# Allegro board C000PD020-3399PRO-DMEB-A-A01.brd (continued)
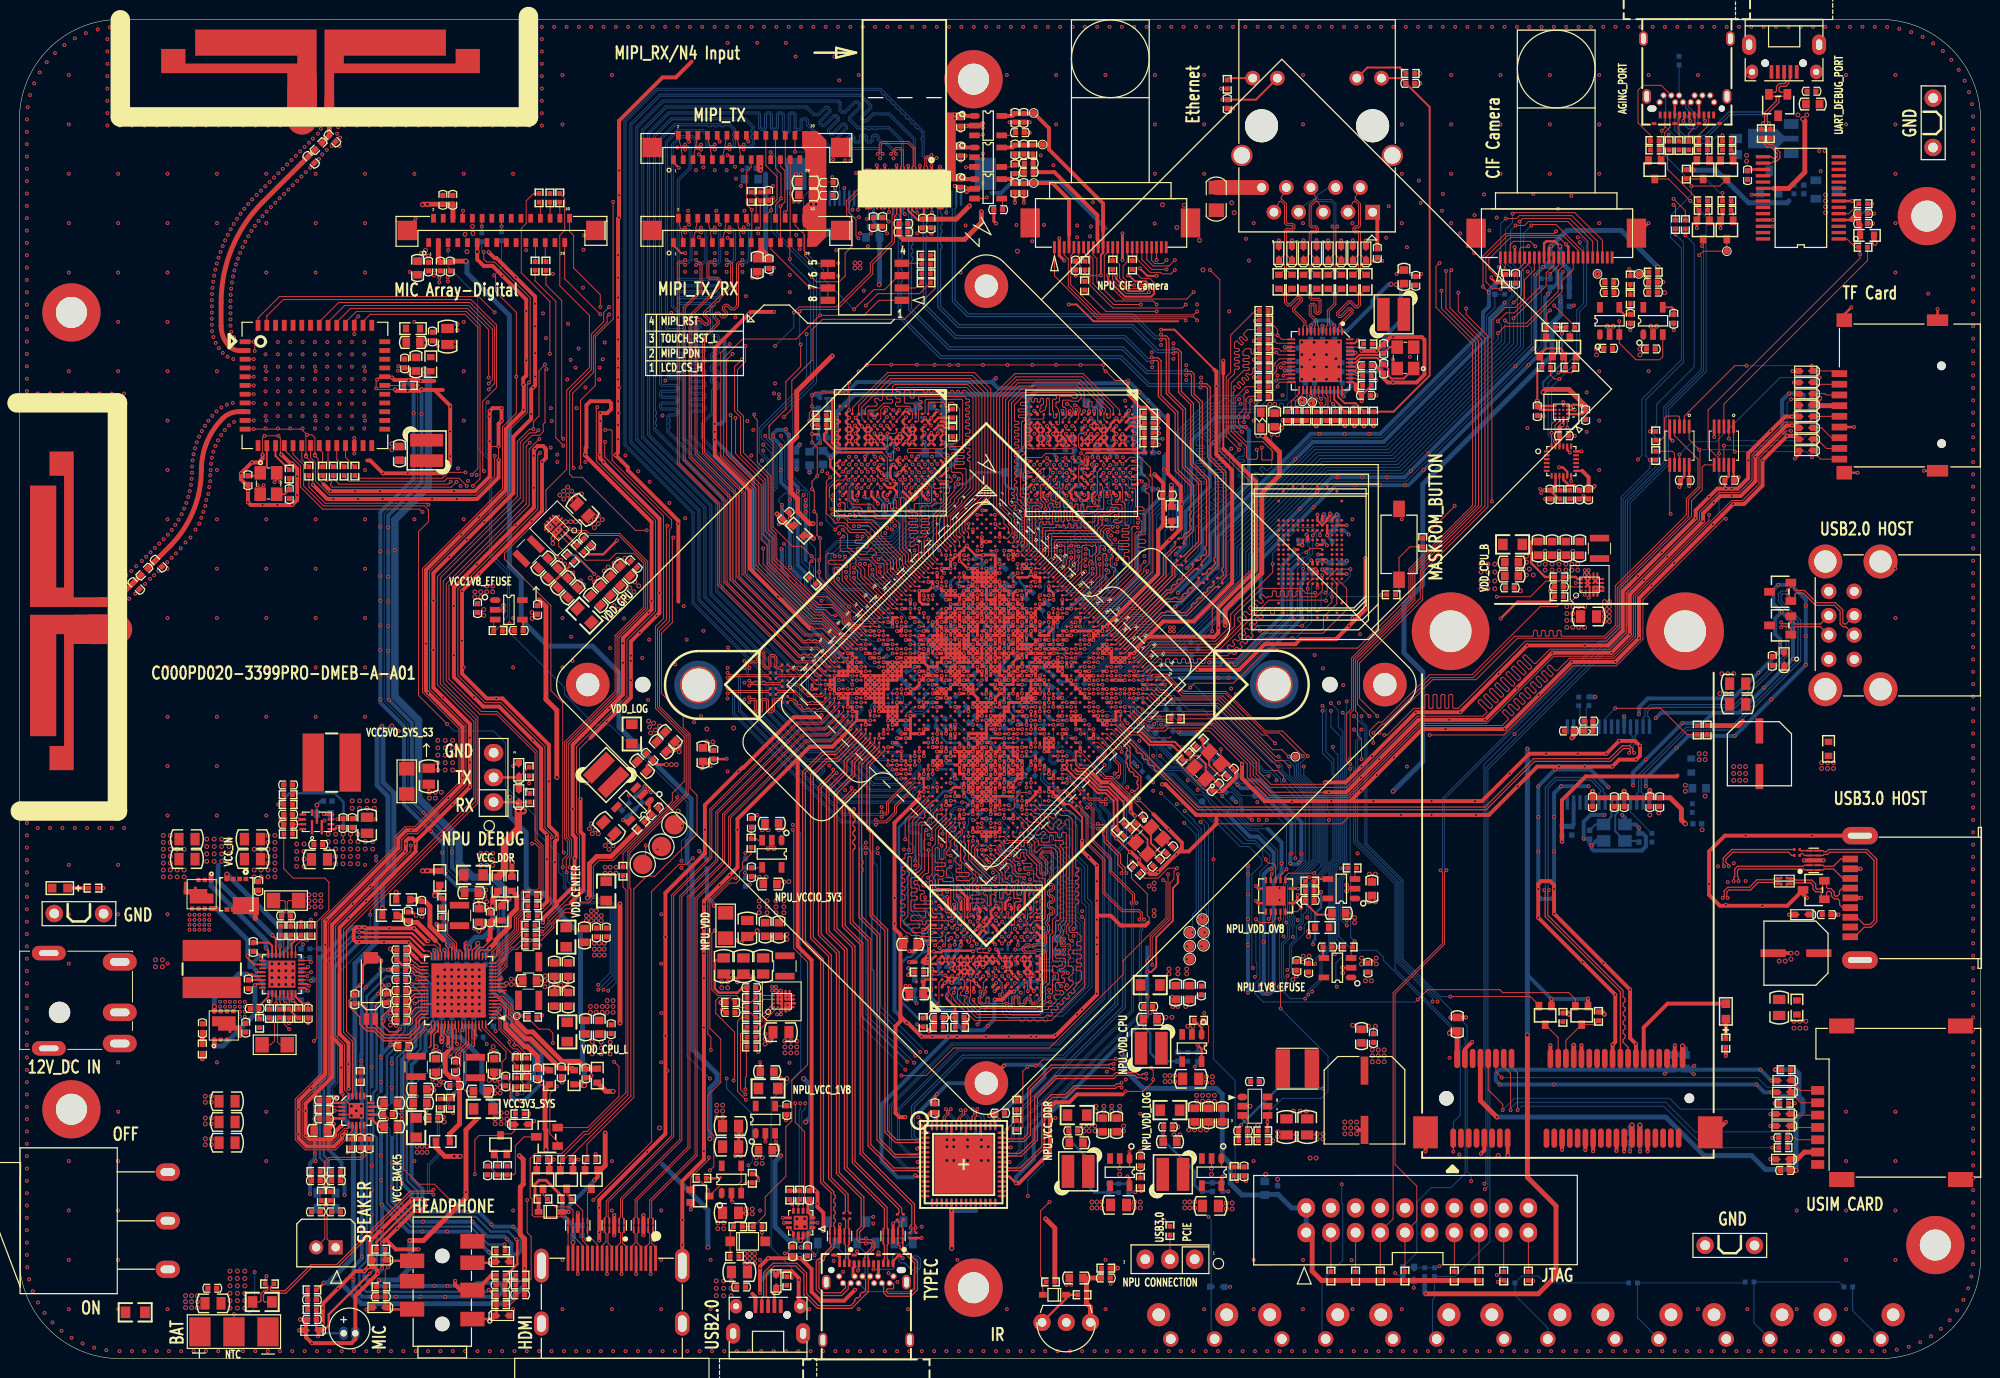
[diagram p0: board, top side]
## Routing (per net, layer and track width the routed paths; a pad name or vN(x,y) marks a point on that pad's centre or on a via; arc(x,y) is an arc through that point) (continued)
  vias: v1(0.76,127.51) v1(0.76,126.24) v1(0.76,124.97) v1(0.76,123.7) v1(0.76,122.43) v1(0.76,121.16) v1(0.76,119.89) v1(0.76,118.62) v1(0.76,117.35) v1(0.76,116.08) v1(0.76,114.81) v1(0.76,113.54) v1(0.76,112.27) v1(0.76,111) v1(0.76,109.73) v1(0.76,108.46) v1(0.76,107.19) v1(0.76,105.92) v1(0.76,104.65) v1(0.76,103.38) v1(0.76,102.11) v1(0.76,100.84) v1(0.76,99.57) v1(0.76,98.3) v1(0.76,56.39) v1(0.76,55.12) v1(0.76,53.85) v1(0.76,52.58) v1(0.76,51.31) v1(0.76,50.04) v1(0.76,48.77) v1(0.76,47.5) v1(0.76,46.23) v1(0.76,44.96) v1(0.76,43.69) v1(0.76,42.42) v1(0.76,41.15) v1(0.76,39.88) v1(0.76,38.61) v1(0.76,37.34) v1(0.76,36.07) v1(0.76,34.8) v1(0.76,33.53) v1(0.76,32.26) v1(0.76,30.99) v1(0.76,29.72) v1(0.76,28.45) v1(0.76,27.18) v1(0.76,25.91) v1(0.76,24.64) v1(0.76,23.37) v1(0.76,22.1) v1(0.76,20.83) v1(0.76,19.56) v1(0.76,18.29) v1(0.76,17.02) v1(0.76,15.75) v1(0.76,14.48) v1(0.76,13.21) v1(0.76,11.94) v1(0.76,10.67) v1(0.8,9.4) v1(0.85,128.77) v1(1.01,8.14) v1(1.1,130.02) v1(1.38,6.93) v1(1.52,131.22) v1(1.88,99.31) v1(1.88,54.6) v1(1.9,5.77) v1(2.09,132.35) v1(2.58,4.7) v1(2.8,133.4) v1(3.15,99.31) v1(3.15,54.6) v1(3.39,3.72) v1(3.66,134.34) v1(4.33,2.86) v1(4.42,99.31) v1(4.42,54.6) v1(4.62,135.17) v1(5.08,132.08) v1(5.08,127) v1(5.08,121.92) v1(5.08,116.84) v1(5.08,111.76) v1(5.08,101.6) v1(5.08,55.88) v1(5.08,50.8) v1(5.08,45.72) v1(5.08,40.64) v1(5.08,30.48) v1(5.08,20.32) v1(5.08,15.24) v1(5.08,10.16) v1(5.08,5.08) v1(5.37,2.14) v1(5.69,135.85) v1(5.69,99.31) v1(5.69,54.6) v1(6.5,1.55) v1(6.84,136.39) v1(6.96,99.31) v1(6.96,54.6) v1(7.69,1.12) v1(8.05,136.77) v1(8.23,99.31) v1(8.23,54.6) v1(8.94,0.86) v1(9.05,135.77) v1(9.05,134.5) v1(9.05,133.23) v1(9.05,131.96) v1(9.05,130.69) v1(9.05,129.42) v1(9.05,128.15) v1(9.05,126.88) v1(9.31,136.99) v1(9.5,99.31) v1(9.5,54.6) v1(10.16,132.08) v1(10.16,121.92) v1(10.16,116.84) v1(10.16,111.76) v1(10.16,106.68) v1(10.16,101.6) v1(10.16,96.52) v1(10.16,91.44) v1(10.16,86.36) v1(10.16,81.28) v1(10.16,76.2) v1(10.16,71.12) v1(10.16,66.04) v1(10.16,60.96) v1(10.16,55.88) v1(10.16,50.8) v1(10.16,45.72) v1(10.16,30.48) v1(10.16,25.4) v1(10.16,20.32) v1(10.16,15.24) v1(10.16,10.16) v1(10.16,5.08) v1(10.32,126.88) v1(10.3,0.76) v1(10.57,137.04) v1(10.77,99.31) v1(10.77,98.04) v1(10.77,96.77) v1(10.77,95.5) v1(10.77,94.23) v1(10.77,92.96) v1(10.77,91.69) v1(10.77,90.42) v1(10.77,89.15) v1(10.77,87.88) v1(10.77,86.61) v1(10.77,85.34) v1(10.77,84.07) v1(10.77,82.8) v1(10.77,81.53) v1(10.77,80.26) v1(10.77,76.95) v1(10.77,76.19) v1(10.77,74.92) v1(10.77,73.65) v1(10.77,72.38) v1(10.77,71.11) v1(10.77,69.84) v1(10.77,68.57) v1(10.77,67.3) v1(10.77,66.03) v1(10.77,64.76) v1(10.77,63.49) v1(10.77,62.22) v1(10.77,60.95) v1(10.77,59.68) v1(10.77,58.41) v1(10.77,57.14) v1(10.77,55.87) v1(10.77,54.6) v1(11,80.63) v1(11.3,78.19) v1(11.51,81.04) v1(11.59,126.88) v1(11.57,0.76) v1(11.91,78.7) v1(12.01,81.54) v1(12.6,82.07) v1(12.84,0.76) v1(12.86,126.88) v1(12.93,79.72) v1(13.05,82.52) v1(13.44,80.22) v1(13.49,82.97) v1(13.86,80.61) v1(13.94,83.41) v1(14.13,126.88) v1(14.11,0.76) v1(14.31,81.06) v1(14.39,83.86) v1(14.84,84.31) v1(15.24,121.92) v1(15.24,116.84) v1(15.24,111.76) v1(15.24,106.68) v1(15.24,101.6) v1(15.24,96.52) v1(15.24,91.44) v1(15.24,86.36) v1(15.2,81.96) v1(15.24,81.28) v1(15.24,76.2) v1(15.24,71.12) v1(15.24,66.04) v1(15.24,60.96) v1(15.24,55.88) v1(15.24,45.72) v1(15.24,40.64) v1(15.24,5.08) v1(15.27,84.78) v1(15.4,126.88) v1(15.38,0.76) v1(15.67,85.27) v1(15.65,82.41) v1(16.04,85.79) v1(16.1,82.85) v1(16.38,86.33) v1(16.59,83.37) v1(16.67,126.88) v1(16.68,86.89) v1(16.65,0.76) v1(16.95,87.46) v1(17.09,83.98) v1(17.18,88.05) v1(17.37,88.66) v1(17.53,89.27) v1(17.5,45.65) v1(17.5,45.15) v1(17.5,44.64) v1(17.5,44.13) v1(17.64,89.9) v1(17.6,84.49) v1(17.72,90.53) v1(17.82,92.43) v1(17.77,91.8) v1(17.76,91.16) v1(17.94,126.88) v1(17.91,93.06) v1(17.92,0.76) v1(18.01,45.65) v1(18.01,45.15) v1(18.01,44.64) v1(18.01,44.13) v1(18.06,93.68) v1(18.11,85.3) v1(18.25,94.28) v1(18.49,94.87) v1(18.52,85.91) v1(18.52,45.65) v1(18.52,45.15) v1(18.52,44.64) v1(18.52,44.13) v1(18.72,86.52) v1(18.76,95.44) v1(18.92,87.13) v1(19.02,45.65) v1(19.02,45.15) v1(19.02,44.64) v1(19.02,44.13) v1(19.09,95.99) v1(19.13,87.74) v1(19.21,126.88) v1(19.23,88.35) v1(19.19,0.76) v1(19.43,88.96) v1(19.45,96.51) v1(19.53,89.67) v1(19.53,45.65) v1(19.53,45.15) v1(19.53,44.64) v1(19.53,44.13) v1(19.63,90.89) v1(19.63,90.28) v1(19.71,92.07) v1(19.68,91.44) v1(19.82,109.54) v1(19.79,108.91) v1(19.79,108.27) v1(19.79,107.64) v1(19.79,107) v1(19.79,106.37) v1(19.83,105.73) v1(19.8,92.7) v1(19.94,110.81) v1(19.86,110.18) v1(19.85,97.01) v1(20.04,111.43) v1(19.96,105.11) v1(19.96,93.32) v1(20.16,112.06) v1(20.19,104.52) v1(20.17,93.92) v1(20.32,121.92) v1(20.32,116.84) v1(20.31,112.67) v1(20.32,101.6) v1(20.28,97.47) v1(20.32,91.44) v1(20.32,86.36) v1(20.32,81.28) v1(20.32,76.2) v1(20.32,71.12) v1(20.32,66.04) v1(20.32,60.96) v1(20.32,55.88) v1(20.32,30.48) v1(20.44,94.49) v1(20.48,126.88) v1(20.49,113.28) v1(20.52,103.98) v1(20.46,0.76) v1(20.69,113.89) v1(20.65,36.71) v1(20.65,36.21) v1(20.78,97.86) v1(20.76,95.04) v1(20.91,114.48) v1(20.92,103.49) v1(21.13,95.55) v1(21.16,115.06) v1(21.16,36.71) v1(21.16,36.21) v1(21.34,98.16) v1(21.44,115.64) v1(21.42,103.09) v1(21.56,96.02) v1(21.73,116.2) v1(21.74,109.46) v1(21.71,108.83) v1(21.71,108.2) v1(21.71,107.56) v1(21.71,106.93) v1(21.71,106.29) v1(21.67,36.71) v1(21.67,36.21) v1(21.73,0.76) v1(21.75,126.88) v1(21.79,110.1) v1(21.8,105.66) v1(21.87,110.73) v1(21.98,111.35) v1(22,102.85) v1(21.95,98.34) v1(22.05,116.75) v1(22.12,111.97) v1(22.08,105.09) v1(22.08,96.38) v1(22.17,36.71) v1(22.17,36.21) v1(22.29,112.58) v1(22.39,117.29) v1(22.48,113.19) v1(22.71,113.78) v1(22.68,36.71) v1(22.68,36.21) v1(22.68,35.7) v1(22.68,35.19) v1(22.75,117.81) v1(23.02,126.88) v1(22.96,114.37) v1(23,0.76) v1(23.13,118.31) v1(23.24,114.94) v1(23.19,36.71) v1(23.19,36.21) v1(23.19,35.7) v1(23.19,35.19) v1(23.54,118.81) v1(23.54,115.49) v1(23.87,116.04) v1(23.96,119.28) v1(24.22,116.56) v1(24.29,126.88) v1(24.27,0.76) v1(24.4,119.74) v1(24.6,117.07) v1(24.85,120.18) v1(25.01,117.56) v1(25.3,120.63) v1(25.32,104.61) v1(25.32,103.34) v1(25.32,102.07) v1(25.32,100.8) v1(25.32,99.53) v1(25.32,98.26) v1(25.32,96.99) v1(25.32,95.72) v1(25.4,121.92) v1(25.43,118.04) v1(25.4,116.84) v1(25.4,111.76) v1(25.4,101.6) v1(25.4,96.52) v1(25.4,86.36) v1(25.4,81.28) v1(25.4,76.2) v1(25.4,71.12) v1(25.4,66.04) v1(25.4,55.88) v1(25.4,25.4) v1(25.4,20.32) v1(25.54,0.76) v1(25.56,126.88) v1(25.75,121.08) v1(25.88,118.49) v1(26.2,121.53) v1(26.32,118.94) v1(26.59,104.61) v1(26.59,103.34) v1(26.59,102.07) v1(26.59,100.8) v1(26.59,99.53) v1(26.59,98.26) v1(26.59,96.99) v1(26.59,95.72) v1(26.65,121.98) v1(26.83,126.88) v1(26.77,119.39) v1(26.81,0.76) v1(27.1,122.43) v1(27.22,119.84) v1(27.54,122.88) v1(27.67,120.29) v1(27.86,104.61) v1(27.86,103.34) v1(27.86,102.07) v1(27.86,100.8) v1(27.86,99.53) v1(27.86,98.26) v1(27.86,96.99) v1(27.86,95.72) v1(27.99,123.33) v1(28.1,126.88) v1(28.12,120.74) v1(28.08,0.76) v1(28.44,123.78) v1(28.57,121.18) v1(28.89,124.23) v1(29.02,121.63) v1(29.13,104.61) v1(29.13,103.34) v1(29.13,102.07) v1(29.13,100.8) v1(29.13,99.53) v1(29.13,98.26) v1(29.13,96.99) v1(29.13,95.72) v1(29.34,124.67) v1(29.37,126.88) v1(29.35,0.76) v1(29.47,122.08) v1(29.79,125.12) v1(29.92,122.53) v1(30.2,125.54) v1(30.4,104.61) v1(30.4,103.34) v1(30.4,102.07) v1(30.4,100.8) v1(30.4,99.53) v1(30.4,98.26) v1(30.4,96.99) v1(30.4,95.72) v1(30.48,121.92) v1(30.48,116.84) v1(30.48,111.76) v1(30.48,101.6) v1(30.48,96.52) v1(30.48,86.36) v1(30.48,81.28) v1(30.48,76.2) v1(30.48,71.12) v1(30.48,66.04) v1(30.48,45.72) v1(30.48,25.4) v1(30.48,20.32) v1(30.64,126.88) v1(30.62,0.76) v1(30.71,126.05) v1(30.82,123.44) v1(31.01,126.55) v1(31.17,123.91) v1(31.39,55.36) v1(31.62,124.37) v1(31.67,104.61) v1(31.67,103.34) v1(31.67,102.07) v1(31.67,100.8) v1(31.67,99.53) v1(31.67,98.26) v1(31.67,96.99) v1(31.67,95.72) v1(31.89,0.76) v1(32.13,124.78) v1(32.69,126.05) v1(32.79,126.71) v1(32.99,125.64) v1(32.94,124.78) v1(32.94,104.61) v1(32.94,103.34) v1(32.94,102.07) v1(32.94,100.8) v1(32.94,99.53) v1(32.94,98.26) v1(32.94,96.99) v1(32.94,95.72) v1(33.16,0.76) v1(33.43,126.88) v1(34.21,104.61) v1(34.21,103.34) v1(34.21,102.07) v1(34.21,100.8) v1(34.21,99.53) v1(34.21,98.26) v1(34.21,96.99) v1(34.21,95.72) v1(34.43,0.76) v1(34.7,126.88) v1(35.48,104.61) v1(35.48,103.34) v1(35.48,102.07) v1(35.48,100.8) v1(35.48,99.53) v1(35.48,98.26) v1(35.48,96.99) v1(35.48,95.72) v1(35.56,121.92) v1(35.56,116.84) v1(35.56,111.76) v1(35.56,101.6) v1(35.56,96.52) v1(35.56,91.44) v1(35.56,86.36) v1(35.56,81.28) v1(35.56,76.2) v1(35.56,71.12) v1(35.56,66.04) v1(35.56,50.8) v1(35.7,0.76) v1(35.97,126.88) v1(36.97,0.76) v1(37.24,126.88) v1(38.24,0.76) v1(38.51,126.88) v1(38.94,101.66) v1(38.99,102.12) v1(39.51,0.76) v1(39.78,126.88) v1(40.11,101.92) v1(40.11,101.41) v1(40.64,121.92) v1(40.64,106.68) v1(40.64,86.36) v1(40.64,20.32) v1(40.78,0.76) v1(41.05,126.88) v1(41.83,104.81) v1(41.83,104.25) v1(42.05,0.76) v1(42.32,126.88) v1(42.65,111.47) v1(43.05,104.71) v1(43.05,104.2) v1(43.21,111.21) v1(43.21,110.75) v1(43.32,0.76) v1(43.59,126.88) v1(44.07,111.26) v1(44.09,110.85) v1(44.63,25.26) v1(44.59,0.76) v1(44.86,126.88) v1(44.93,104.66) v1(44.93,104.1) v1(45.14,91.6) v1(45.39,89.8) v1(45.72,121.92) v1(45.72,106.68) v1(45.72,101.6) v1(45.72,96.52) v1(45.72,86.36) v1(45.72,71.12) v1(45.72,15.24) v1(45.86,0.76) v1(46.13,126.88) v1(46.15,90.31) v1(47.04,90.92) v1(47.13,0.76) v1(47.4,126.88) v1(48.4,0.76) v1(48.67,126.88) v1(49.67,0.76) v1(49.94,126.88) v1(50.8,121.92) v1(50.8,76.2) v1(50.8,71.12) v1(50.8,15.24) v1(50.8,5.08) v1(50.94,0.76) v1(51.08,85.76) v1(51.21,126.88) v1(52.15,114.06) v1(52.21,0.76) v1(52.48,137.04) v1(52.48,126.88) v1(53.48,0.76) v1(53.75,137.04) v1(53.75,135.77) v1(53.75,134.5) v1(53.75,133.23) v1(53.75,131.96) v1(53.75,130.69) v1(53.75,129.42) v1(53.75,128.15) v1(53.75,126.88) v1(53.87,107.55) v1(54.18,105.01) v1(54.75,0.76) v1(54.89,111.62) v1(55.02,137.04) v1(55.88,132.08) v1(55.88,127) v1(55.88,76.2) v1(55.88,71.12) v1(55.88,10.16) v1(55.88,5.08) v1(56.02,0.76) v1(56.29,137.04) v1(56.46,106.49) v1(56.72,102.78) v1(56.77,74.28) v1(56.92,71.79) v1(57.23,101.97) v1(57.29,0.76) v1(57.53,103.95) v1(57.56,137.04) v1(58.04,114.11) v1(57.99,110.2) v1(58.09,115.58) v1(58.56,0.76) v1(58.83,137.04) v1(59.72,101.97) v1(59.83,0.76) v1(60.02,102.83) v1(60.1,137.04) v1(60.22,104.56) v1(60.78,73.11) v1(60.96,132.08) v1(60.96,20.32) v1(60.96,15.24) v1(60.96,5.08) v1(61.1,0.76) v1(61.37,137.04) v1(62.2,76.16) v1(62.36,92.92) v1(62.37,0.76) v1(62.64,137.04) v1(63.64,0.76) v1(63.68,91.3) v1(63.91,137.04) v1(64.08,72.1) v1(64.69,67.78) v1(64.8,73.98) v1(64.85,90.23) v1(64.91,0.76) v1(64.95,58.28) v1(65.18,137.04) v1(66.04,45.72) v1(66.04,40.64) v1(66.04,35.56) v1(66.04,30.48) v1(66.04,15.24) v1(66.04,10.16) v1(66.04,5.08) v1(66.17,97.04) v1(66.18,0.76) v1(66.45,137.04) v1(66.47,100.65) v1(66.88,88.05) v1(67.08,107.61) v1(67.49,71.44) v1(67.45,0.76) v1(67.72,137.04) v1(67.69,124.62) v1(68.2,54.82) v1(68.35,77.43) v1(68.5,111.82) v1(68.5,86.47) v1(68.66,73.98) v1(68.72,0.76) v1(68.81,118.12) v1(68.91,116.7) v1(68.99,137.04) v1(69.62,122.29) v1(69.62,113.75) v1(69.62,111.82) v1(69.93,115.38) v1(69.99,0.76) v1(70.26,137.04) v1(70.38,122.59) v1(70.38,74.89) v1(71.12,10.16) v1(71.12,5.08) v1(71.26,0.76) v1(71.53,137.04) v1(71.55,122.29) v1(71.55,113.75) v1(71.55,111.82) v1(71.7,118.12) v1(72.06,116.7) v1(72.53,0.76) v1(72.8,137.04) v1(72.77,122.29) v1(72.77,113.75) v1(72.77,111.82) v1(72.87,135.39) v1(72.87,115.33) v1(72.92,73.16) v1(72.87,71.08) v1(72.87,67.93) v1(73.63,122.64) v1(73.74,121.42) v1(73.69,107.15) v1(73.8,0.76) v1(73.89,43.04) v1(74.07,137.04) v1(74.24,120.66) v1(74.4,122.29) v1(74.4,113.75) v1(74.4,111.82) v1(74.6,118.12) v1(74.6,71.79) v1(74.6,69.56) v1(74.6,67.83) v1(74.75,109.33) v1(75.07,0.76) v1(75.34,137.04) v1(75.41,111.21) v1(75.92,135.39) v1(75.92,111.21) v1(76.2,15.24) v1(76.2,10.16) v1(76.34,0.76) v1(76.61,137.04) v1(77.34,111.62) v1(77.55,119.44) v1(77.61,0.76) v1(77.65,112.23) v1(77.65,99.32) v1(77.75,100.34) v1(77.88,137.04) v1(78.16,99.22) v1(78.16,98.82) v1(78.87,135.39) v1(78.88,0.76) v1(79.15,137.04) v1(79.27,111.52) v1(79.27,109.73) v1(79.68,119.04) v1(79.87,133.99) v1(79.88,121.88) v1(79.93,115.63) v1(80.19,119.04) v1(80.15,0.76) v1(80.29,114.16) v1(80.42,137.04) v1(80.39,121.88) v1(81.28,96.52) v1(81.28,5.08) v1(81.42,0.76) v1(81.69,137.04) v1(82.47,85.91) v1(82.69,0.76) v1(82.96,137.04) v1(83.13,91.1) v1(83.34,61.02) v1(83.64,121.58) v1(83.64,86.88) v1(83.74,123.4) v1(83.74,88.86) v1(83.79,10.04) v1(83.87,133.99) v1(83.96,0.76) v1(84.05,114.06) v1(84.23,137.04) v1(84.25,112.74) v1(84.25,111.42) v1(84.25,80.8) v1(84.35,131.53) v1(84.4,87.31) v1(84.35,84.92) v1(84.4,82.56) v1(84.76,8.93) v1(84.96,123.3) v1(84.96,58.48) v1(85.06,80.96) v1(85.23,0.76) v1(85.37,92.79) v1(85.5,137.04) v1(85.52,123.3) v1(85.45,86.83) v1(85.86,85.65) v1(85.85,80.88) v1(86.08,121.98) v1(86.08,92.79) v1(86.08,91.98) v1(86.1,91.22) v1(86.22,84.61) v1(86.36,132.08) v1(86.36,101.6) v1(86.36,5.08) v1(86.5,0.76) v1(86.72,90.41) v1(86.77,137.04) v1(86.89,109.89) v1(87.01,81.78) v1(87.3,114.46) v1(87.77,81.18) v1(87.77,0.76) v1(88.04,137.04) v1(88.16,120.51) v1(88.57,123.51) v1(88.55,81.49) v1(88.72,56.75) v1(89.04,0.76) v1(89.1,84.95) v1(89.31,137.04) v1(89.43,8.8) v1(89.48,117.97) v1(89.94,123.51) v1(90.1,85.71) v1(90.25,59.6) v1(90.31,0.76) v1(90.35,7.88) v1(90.45,120.61) v1(90.58,137.04) v1(91.01,52.39) v1(91.44,5.08) v1(91.59,38.35) v1(91.58,0.76) v1(91.84,92.86) v1(91.85,137.04) v1(92.13,83.17) v1(92.19,50.74) v1(92.38,115.78) v1(92.83,13.57) v1(92.85,0.76) v1(93.12,137.04) v1(93.12,91.22) v1(93.19,120.56) v1(93.25,48.98) v1(93.54,53.9) v1(93.55,83.77) v1(93.63,52.94) v1(93.85,115.73) v1(93.9,92.81) v1(94.12,0.76) v1(94.39,137.04) v1(94.36,123.56) v1(94.38,83.61) v1(94.72,122.64) v1(94.72,120.97) v1(94.95,53.42) v1(95.31,44.26) v1(95.39,0.76) v1(95.66,137.04) v1(95.73,51.16) v1(96.21,90.79) v1(96.5,44.21) v1(96.52,10.16) v1(96.66,0.76) v1(96.93,137.04) v1(96.85,126.3) v1(96.85,123.25) v1(96.85,111.77) v1(97.41,120.46) v1(97.93,0.76) v1(98,42.46) v1(98.2,137.04) v1(99.14,126.66) v1(99.14,123.99) v1(99.14,120.97) v1(99.15,123.46) v1(99.2,0.76) v1(99.47,137.04) v1(100.16,50.02) v1(100.47,0.76) v1(100.74,137.04) v1(101.11,50.91) v1(101.6,132.08) v1(101.6,5.08) v1(101.74,0.76) v1(101.79,33.13) v1(102.01,137.04) v1(102.11,52.71) v1(102.45,43.36) v1(102.59,116.65) v1(102.93,50.32) v1(103.01,0.76) v1(103.28,137.04) v1(103.72,43.4) v1(103.99,49.3) v1(104.22,114.97) v1(104.28,0.76) v1(104.45,95.18) v1(104.55,137.04) v1(105.08,123.81) v1(105.44,116.65) v1(105.55,0.76) v1(105.74,92.03) v1(105.82,137.04) v1(105.95,37.2) v1(106.4,122.79) v1(106.68,132.08) v1(106.68,127) v1(106.82,0.76) v1(107.09,137.04) v1(107.05,91.19) v1(107.14,83.11) v1(107.72,7.58) v1(108.09,0.76) v1(108.23,82.96) v1(108.36,137.04) v1(108.48,58.43) v1(108.47,43.5) v1(108.84,116.6) v1(108.84,115.38) v1(108.97,83.07) v1(109.25,93.15) v1(109.36,46.04) v1(109.36,0.76) v1(109.63,137.04) v1(109.7,82.79) v1(109.69,81.53) v1(110.16,115.48) v1(110.26,116.5) v1(110.44,81.29) v1(110.46,118.98) v1(110.63,0.76) v1(110.9,137.04) v1(111.11,82.31) v1(111.67,61.07) v1(111.76,132.08) v1(111.76,101.6) v1(111.76,10.16) v1(111.76,5.08) v1(111.86,86.3) v1(111.86,81.69) v1(111.9,0.76) v1(112.14,83.11) v1(112.17,137.04) v1(112.34,84.69) v1(112.77,86.73) v1(112.8,81.75) v1(112.87,91.08) v1(112.85,53.5) v1(113,85.59) v1(113.17,0.76) v1(113.44,137.04) v1(113.56,92.74) v1(113.72,81.81) v1(113.77,98.58) v1(113.84,28.71) v1(114.02,58.79) v1(114.29,91.16) v1(114.44,0.76) v1(114.71,137.04) v1(115.09,86.01) v1(115.19,57.62) v1(115.32,25.2) v1(115.71,0.76) v1(115.75,82.59) v1(115.98,137.04) v1(116.66,58.43) v1(116.84,132.08) v1(116.84,127) v1(116.84,121.92) v1(116.81,116.8) v1(116.98,0.76) v1(117.25,137.04) v1(118.25,0.76) v1(118.52,137.04) v1(118.75,104.46) v1(118.75,102.88) v1(119.52,0.76) v1(119.79,137.04) v1(120.07,102.22) v1(120.07,100.7) v1(120.12,41.11) v1(120.22,59.5) v1(120.79,0.76) v1(121.06,137.04) v1(121.18,108.47) v1(121.23,58.53) v1(121.59,100.95) v1(121.92,132.08) v1(121.92,127) v1(121.92,121.92) v1(121.92,35.56) v1(121.92,5.08) v1(122.06,0.76) v1(122.33,137.04) v1(123.33,0.76) v1(123.6,137.04) v1(124.6,0.76) v1(124.87,137.04) v1(125.87,0.76) v1(126.14,137.04) v1(126.21,115.23) v1(126.52,112.99) v1(127,116.84) v1(127,96.52) v1(127,20.32) v1(127,10.16) v1(127,5.08) v1(127.14,0.76) v1(127.41,137.04) v1(127.38,57.26) v1(128.41,0.76) v1(128.68,137.04) v1(129.67,48.42) v1(129.67,47.2) v1(129.68,0.76) v1(129.95,137.04) v1(130.94,57.31) v1(130.95,0.76) v1(131.22,137.04) v1(132.08,132.08) v1(132.08,127) v1(132.08,116.84) v1(132.08,81.28) v1(132.08,10.16) v1(132.08,5.08) v1(132.22,0.76) v1(132.49,137.04) v1(133.27,72.4) v1(133.49,0.76) v1(133.76,137.04) v1(134.14,71.03) v1(134.76,0.76) v1(135.03,137.04) v1(135.76,67.47) v1(136.03,0.76) v1(136.22,69.3) v1(136.3,137.04) v1(137.08,10.12) v1(137.16,116.84) v1(137.16,86.36) v1(137.16,76.2) v1(137.16,5.08) v1(137.3,0.76) v1(137.57,137.04) v1(137.69,51.98) v1(137.95,74.53) v1(138.05,58.43) v1(138.57,0.76) v1(138.84,137.04) v1(139.67,60.06) v1(139.84,0.76) v1(140.11,137.04) v1(140.64,115.33) v1(140.89,118.58) v1(141.11,0.76) v1(141.38,137.04) v1(141.35,102.78) v1(141.45,61.83) v1(142.24,127) v1(142.24,121.92) v1(142.24,116.84) v1(142.24,86.36) v1(142.24,5.08) v1(142.38,0.76) v1(142.65,137.04) v1(142.77,114.36) v1(142.77,60.92) v1(143.08,103.08) v1(143.65,0.76) v1(143.92,137.04) v1(143.99,121.22) v1(144.2,118.93) v1(144.92,0.76) v1(145.19,137.04) v1(146.19,0.76) v1(146.38,118.12) v1(146.46,137.04) v1(146.48,119.85) v1(147.16,30.95) v1(147.32,132.08) v1(147.32,127) v1(147.32,121.92) v1(147.32,116.84) v1(147.46,0.76) v1(147.73,137.04) v1(148.16,21) v1(148.26,115.78) v1(148.73,0.76) v1(149,137.04) v1(149.73,117.66) v1(149.68,113.75) v1(150,0.76) v1(150.27,137.04) v1(150.7,119.8) v1(151.26,116.09) v1(151.27,0.76) v1(151.54,137.04) v1(152.02,117.41) v1(152.4,132.08) v1(152.4,127) v1(152.4,121.92) v1(152.54,0.76) v1(152.81,137.04) v1(153.81,0.76) v1(154.08,137.04) v1(155.08,0.76) v1(155.2,111.85) v1(155.17,95.77) v1(155.35,137.04) v1(155.78,119.85) v1(156.35,0.76) v1(156.62,137.04) v1(156.85,96.99) v1(157.48,132.08) v1(157.48,127) v1(157.48,121.92) v1(157.62,0.76) v1(157.89,137.04) v1(158.32,118.32) v1(158.89,0.76) v1(159.16,137.04) v1(159.69,119.64) v1(160.16,0.76) v1(160.43,137.04) v1(161.26,99.43) v1(161.26,95.36) v1(161.43,0.76) v1(161.7,137.04) v1(162.56,132.08) v1(162.56,127) v1(162.56,121.92) v1(162.56,116.84) v1(162.56,101.6) v1(162.56,96.52) v1(162.56,91.44) v1(162.7,0.76) v1(162.97,137.04) v1(163.97,0.76) v1(164.24,137.04) v1(165.24,0.76) v1(165.51,137.04) v1(166.51,0.76) v1(166.78,137.04) v1(167.64,132.08) v1(167.64,101.6) v1(167.78,0.76) v1(168.05,137.04) v1(169.05,0.76) v1(169.32,137.04) v1(170.32,0.76) v1(170.59,137.04) v1(171.59,0.76) v1(171.86,137.04) v1(172.72,132.08) v1(172.72,5.08) v1(172.86,0.76) v1(173.13,137.04) v1(174.13,0.76) v1(174.4,137.04) v1(174.78,50.66) v1(175.4,0.76) v1(175.67,137.04) v1(175.79,49.03) v1(176.4,50.96) v1(176.67,0.76) v1(176.94,137.04) v1(177.8,132.08) v1(177.8,5.08) v1(177.94,0.76) v1(178.21,137.04) v1(179.21,0.76) v1(179.48,137.04) v1(180.48,0.76) v1(180.75,137.04) v1(181.75,0.76) v1(182.02,137.04) v1(182.88,15.24) v1(182.88,5.08) v1(183.02,0.76) v1(183.29,137.04) v1(184.29,0.76) v1(184.56,137.04) v1(185.19,124.27) v1(185.34,122.18) v1(185.56,0.76) v1(185.83,137.04) v1(185.75,124.27) v1(186.83,0.76) v1(187.1,137.04) v1(187.96,132.08) v1(187.96,127) v1(187.96,25.4) v1(187.96,20.32) v1(187.96,15.24) v1(187.96,10.16) v1(187.96,5.08) v1(188.1,0.76) v1(188.37,137.04) v1(189.37,0.76) v1(189.64,137.04) v1(190.64,0.76) v1(190.91,137.04) v1(191.91,0.77) v1(192.18,137.01) v1(193.04,132.08) v1(193.04,127) v1(193.04,121.92) v1(193.04,116.84) v1(193.04,111.76) v1(193.04,81.28) v1(193.04,76.2) v1(193.04,25.4) v1(193.04,20.32) v1(193.04,15.24) v1(193.04,10.16) v1(193.17,0.91) v1(193.44,136.84) v1(194.41,1.22) v1(194.67,136.5) v1(195.59,1.68) v1(195.83,136) v1(196.42,109.59) v1(196.7,2.3) v1(196.92,135.35) v1(197.71,3.06) v1(197.92,134.56) v1(198.62,3.95) v1(198.8,133.64) v1(199.4,4.95) v1(199.55,132.62) v1(200.04,6.05) v1(200.16,131.5) v1(200.53,7.22) v1(200.61,130.32) v1(200.91,129.08) v1(200.86,8.45) v1(201.03,127.82) v1(201.04,126.55) v1(201.04,125.28) v1(201.04,124.01) v1(201.04,122.74) v1(201.04,121.47) v1(201.04,120.2) v1(201.04,118.93) v1(201.04,117.66) v1(201.04,116.39) v1(201.04,115.12) v1(201.04,113.85) v1(201.04,112.58) v1(201.04,111.31) v1(201.04,110.04) v1(201.04,108.77) v1(201.04,107.5) v1(201.04,106.23) v1(201.04,104.96) v1(201.04,103.69) v1(201.04,102.42) v1(201.04,101.15) v1(201.04,99.88) v1(201.04,98.61) v1(201.04,97.34) v1(201.04,96.07) v1(201.04,94.8) v1(201.04,93.53) v1(201.04,92.26) v1(201.04,90.99) v1(201.04,89.72) v1(201.04,88.45) v1(201.04,87.18) v1(201.04,85.91) v1(201.04,84.64) v1(201.04,83.37) v1(201.04,82.1) v1(201.04,80.83) v1(201.04,79.56) v1(201.04,78.29) v1(201.04,77.02) v1(201.04,75.75) v1(201.04,74.48) v1(201.04,73.21) v1(201.04,71.94) v1(201.04,70.67) v1(201.04,69.4) v1(201.04,68.13) v1(201.04,66.86) v1(201.04,65.59) v1(201.04,64.32) v1(201.04,63.05) v1(201.04,61.78) v1(201.04,60.51) v1(201.04,59.24) v1(201.04,57.97) v1(201.04,56.7) v1(201.04,55.43) v1(201.04,54.16) v1(201.04,52.89) v1(201.04,51.62) v1(201.04,50.35) v1(201.04,49.08) v1(201.04,47.81) v1(201.04,46.54) v1(201.04,45.27) v1(201.04,44) v1(201.04,42.73) v1(201.04,41.46) v1(201.04,40.19) v1(201.04,38.92) v1(201.04,37.65) v1(201.04,36.38) v1(201.04,35.11) v1(201.04,33.84) v1(201.04,32.57) v1(201.04,31.3) v1(201.04,30.03) v1(201.04,28.76) v1(201.04,27.49) v1(201.04,26.22) v1(201.04,24.95) v1(201.04,23.68) v1(201.04,22.41) v1(201.04,21.14) v1(201.04,19.87) v1(201.04,18.6) v1(201.04,17.33) v1(201.04,16.06) v1(201.04,14.79) v1(201.04,13.52) v1(201.04,12.25) v1(201.04,10.98) v1(201.02,9.71) v2(14,41.03) v2(14,40.32) v2(14.71,41.03) v2(14.71,40.32) v2(14.81,53.83) v2(14.81,53.12) v2(14.81,52.41) v2(14.81,51.7) v2(14.81,50.99) v2(14.81,50.28) v2(14.81,49.57) v2(15.52,53.83) v2(15.52,53.12) v2(15.52,52.41) v2(15.52,51.7) v2(15.52,50.99) v2(15.52,50.28) v2(15.52,49.57) v2(16.23,52.41) v2(16.23,50.28) v2(16.23,49.57) v2(16.94,52.41) v2(16.94,50.28) v2(16.94,49.57) v2(19.13,26.99) v2(19.13,26.38) v2(19.13,24.75) v2(19.13,24.14) v2(19.13,22.62) v2(19.13,22.01) v2(19.74,26.99) v2(19.74,26.38) v2(19.74,24.75) v2(19.74,24.14) v2(19.74,22.62) v2(19.74,22.01) v2(21.67,9) v2(21.67,8.24) v2(21.67,7.48) v2(21.67,6.72) v2(21.67,5.95) v2(21.67,5.19) v2(22.43,9) v2(22.43,8.24) v2(22.43,7.48) v2(22.43,6.72) v2(22.43,5.95) v2(22.43,5.19) v2(23.19,9) v2(23.19,8.24) v2(23.19,7.48) v2(23.19,6.72) v2(23.19,5.95) v2(23.19,5.19) v2(24.16,52.41) v2(24.16,50.28) v2(24.16,49.57) v2(24.87,52.41) v2(24.87,50.28) v2(24.87,49.57) v2(25.58,53.83) v2(25.58,53.12) v2(25.58,52.41) v2(25.58,51.7) v2(25.58,50.99) v2(25.58,50.28) v2(25.58,49.57) v2(25.98,40.63) v2(25.98,39.91) v2(25.98,39.2) v2(25.98,38.49) v2(26.29,53.83) v2(26.29,53.12) v2(26.29,52.41) v2(26.29,51.7) v2(26.29,50.99) v2(26.29,50.28) v2(26.29,49.57) v2(26.7,40.63) v2(26.7,39.91) v2(26.7,39.2) v2(26.7,38.49) v2(27.41,40.63) v2(27.41,39.91) v2(27.41,39.2) v2(27.41,38.49) v2(28.12,40.63) v2(28.12,39.91) v2(28.12,39.2) v2(28.12,38.49) v2(31.78,53.96) v2(31.78,53.2) v2(31.78,52.44) v2(32.54,53.96) v2(32.54,53.2) v2(32.54,52.44) v2(32.54,51.67) v2(32.54,50.91) v2(33.3,52.44) v2(33.3,51.67) v2(33.3,50.91) v2(34.06,52.44) v2(34.06,51.67) v2(34.06,50.91) v2(34.16,25) v2(34.82,53.96) v2(34.82,53.2) v2(34.82,52.44) v2(34.82,51.67) v2(34.82,50.91) v2(35.18,25.97) v2(35.18,25) v2(35.59,53.2) v2(35.59,52.44) v2(36.35,53.2) v2(36.35,52.44) v2(38.18,34.33) v2(42.19,57.67) v2(42.8,58.28) v2(42.8,57.67) v2(43.05,39.3) v2(43.41,58.28) v2(43.76,40.02) v2(43.76,39.3) v2(43.76,38.59) v2(43.76,37.88) v2(43.76,37.17) v2(43.76,36.46) v2(43.76,35.75) v2(44.48,40.02) v2(44.48,39.3) v2(44.48,38.59) v2(44.48,37.88) v2(44.48,36.46) v2(45.19,40.02) v2(45.19,39.3) v2(45.19,38.59) v2(45.19,37.17) v2(45.19,36.46) v2(45.19,35.75) v2(45.85,115.68) v2(45.9,40.02) v2(45.9,39.3) v2(45.9,38.59) v2(45.9,37.88) v2(45.9,37.17) v2(45.9,36.46) v2(46.05,113.9) v2(46.61,116.5) v2(46.61,40.02) v2(46.61,39.3) v2(46.61,38.59) v2(46.61,37.88) v2(46.61,37.17) v2(46.61,36.46) v2(46.61,35.75) v2(46.66,115.78) v2(47.12,113.9) v2(47.32,40.02) v2(47.32,39.3) v2(47.32,38.59) v2(47.32,37.88) v2(47.32,37.17) v2(47.32,36.46) v2(47.32,35.75) v2(47.47,47.1) v2(54.08,39.38) v2(54.08,38.26) v2(54.69,38.47) v2(55.3,82.56) v2(55.7,82.15) v2(55.7,38.47) v2(56.11,81.75) v2(56.92,80.83) v2(57.73,80.02) v2(58.04,79.61) v2(58.75,85.91) v2(58.75,80.33) v2(58.75,36.23) v2(58.75,35.62) v2(59.16,86.32) v2(59.16,85.51) v2(59.16,79.92) v2(59.16,42.73) v2(59.16,42.12) v2(59.16,41.51) v2(59.36,36.23) v2(59.36,35.62) v2(59.56,86.73) v2(59.56,85.91) v2(59.56,80.33) v2(59.66,42.73) v2(59.66,42.12) v2(59.66,41.51) v2(59.97,86.32) v2(59.97,36.23) v2(59.97,35.62) v2(60.17,81.04) v2(60.17,42.73) v2(60.17,42.12) v2(60.17,41.51) v2(60.27,52.79) v2(60.48,36.84) v2(60.48,36.23) v2(60.48,35.62) v2(60.58,81.44) v2(60.68,52.39) v2(61.09,52.79) v2(61.09,36.84) v2(61.09,36.23) v2(61.09,35.62) v2(61.19,81.85) v2(61.6,82.26) v2(62.31,82.36) v2(67.08,61.12) v2(67.59,61.12) v2(67.89,62.44) v2(70.74,64.78) v2(71.7,7.99) v2(71.7,7.22) v2(71.7,6.46) v2(72.26,38.77) v2(72.26,38.16) v2(72.47,7.99) v2(72.47,7.22) v2(72.47,6.46) v2(72.87,38.77) v2(72.87,38.16) v2(73.23,7.99) v2(73.23,7.22) v2(73.23,6.46) v2(73.38,39.79) v2(73.48,64.88) v2(73.69,20.89) v2(73.89,38.77) v2(74.8,15.4) v2(75.41,15.4) v2(75.41,14.9) v2(76.73,33.39) v2(76.73,32.88) v2(76.73,32.37) v2(77.44,43.14) v2(78.97,43.14) v2(79.98,14.39) v2(79.98,13.57) v2(80.8,14.39) v2(80.8,13.57) v2(95.43,22.52) v2(95.43,21.8) v2(95.43,20.38) v2(96.14,22.52) v2(96.14,21.8) v2(96.14,20.38) v2(97.56,22.52) v2(97.56,21.8) v2(98.98,22.52) v2(98.98,21.8) v2(98.98,20.38) v2(99.7,21.8) v2(99.7,20.38) v2(109.55,23.94) v2(110.06,23.94) v2(110.06,23.43) v2(110.67,23.94) v2(113.21,18.96) v2(113.61,23.94) v2(114.73,15.5) v2(115.34,16.11) v2(115.34,15.5) v2(116.36,35.62) v2(117.63,118.73) v2(118.59,35.11) v2(118.69,36.23) v2(119.1,116.39) v2(119.41,23.02) v2(119.86,118.68) v2(120.22,34.2) v2(120.32,23.53) v2(121.44,115.07) v2(121.54,23.53) v2(121.79,112.02) v2(122.66,18.96) v2(122.76,28.41) v2(124.18,15.4) v2(124.74,118.93) v2(124.79,16.01) v2(124.79,15.4) v2(124.99,117.92) v2(129.46,23.33) v2(129.46,22.82) v2(129.87,95.77) v2(131.39,22.52) v2(131.95,103.31) v2(131.95,100.77) v2(133.22,104.58) v2(133.22,102.04) v2(133.22,100.77) v2(133.53,22.62) v2(134.14,23.12) v2(134.14,22.62) v2(134.49,104.58) v2(134.49,103.31) v2(134.49,102.04) v2(134.49,100.77) v2(135.46,102.88) v2(135.76,104.58) v2(135.76,102.04) v2(135.76,100.77) v2(136.37,24.34) v2(136.37,23.73) v2(136.37,23.12) v2(136.98,24.34) v2(136.98,23.73) v2(136.98,23.12) v2(137.39,44.87) v2(137.59,24.34) v2(137.59,23.12) v2(138.81,34.2) v2(138.91,49.85) v2(144.09,132.24) v2(144.09,131.23) v2(152.16,20.89) v2(154.15,81.24) v2(154.46,79) v2(154.76,81.24) v2(155.07,82.56) v2(155.07,81.95) v2(155.07,80.63) v2(155.37,81.24) v2(155.78,80.63) v2(156.39,81.75) v2(157,83.07) v2(157,82.46) v2(157,81.75) v2(157,81.14) v2(157.71,81.75) v2(157.71,81.14) v2(158.42,83.07) v2(158.42,82.46) v2(158.42,81.75) v2(158.42,81.14) v2(159.13,81.75) v2(159.13,81.14) v2(159.23,77.38) v2(159.23,76.67) v2(159.23,75.96) v2(159.23,75.25) v2(159.74,81.75) v2(159.74,81.14) v2(159.84,83.07) v2(159.84,82.46) v2(159.84,77.38) v2(159.84,76.67) v2(159.84,75.96) v2(159.84,75.25) v2(160.35,81.75) v2(160.35,81.14) v2(160.45,77.38) v2(160.45,75.25) v2(161.06,77.38) v2(161.06,75.25) v2(167.77,55.94) v2(168.68,56.14) v2(173.15,54.42) v2(173.46,57.87) v2(174.98,68.44) v2(175.18,70.47) v2(175.59,68.44) v2(175.79,70.47) v2(176.2,68.44) v2(176.4,70.47) v2(176.4,60.92) v2(176.4,60.21) v2(176.4,59.5) v2(177.01,60.92) v2(177.01,60.21) v2(177.01,59.5) v2(177.62,60.92) v2(177.62,60.21) v2(177.62,59.5) v2(181.08,40.9) v2(181.69,40.9) v2(182.3,41.11) v2(182.91,41.72)
